# KiCad board Keebs v2.kicad_pcb (continued)
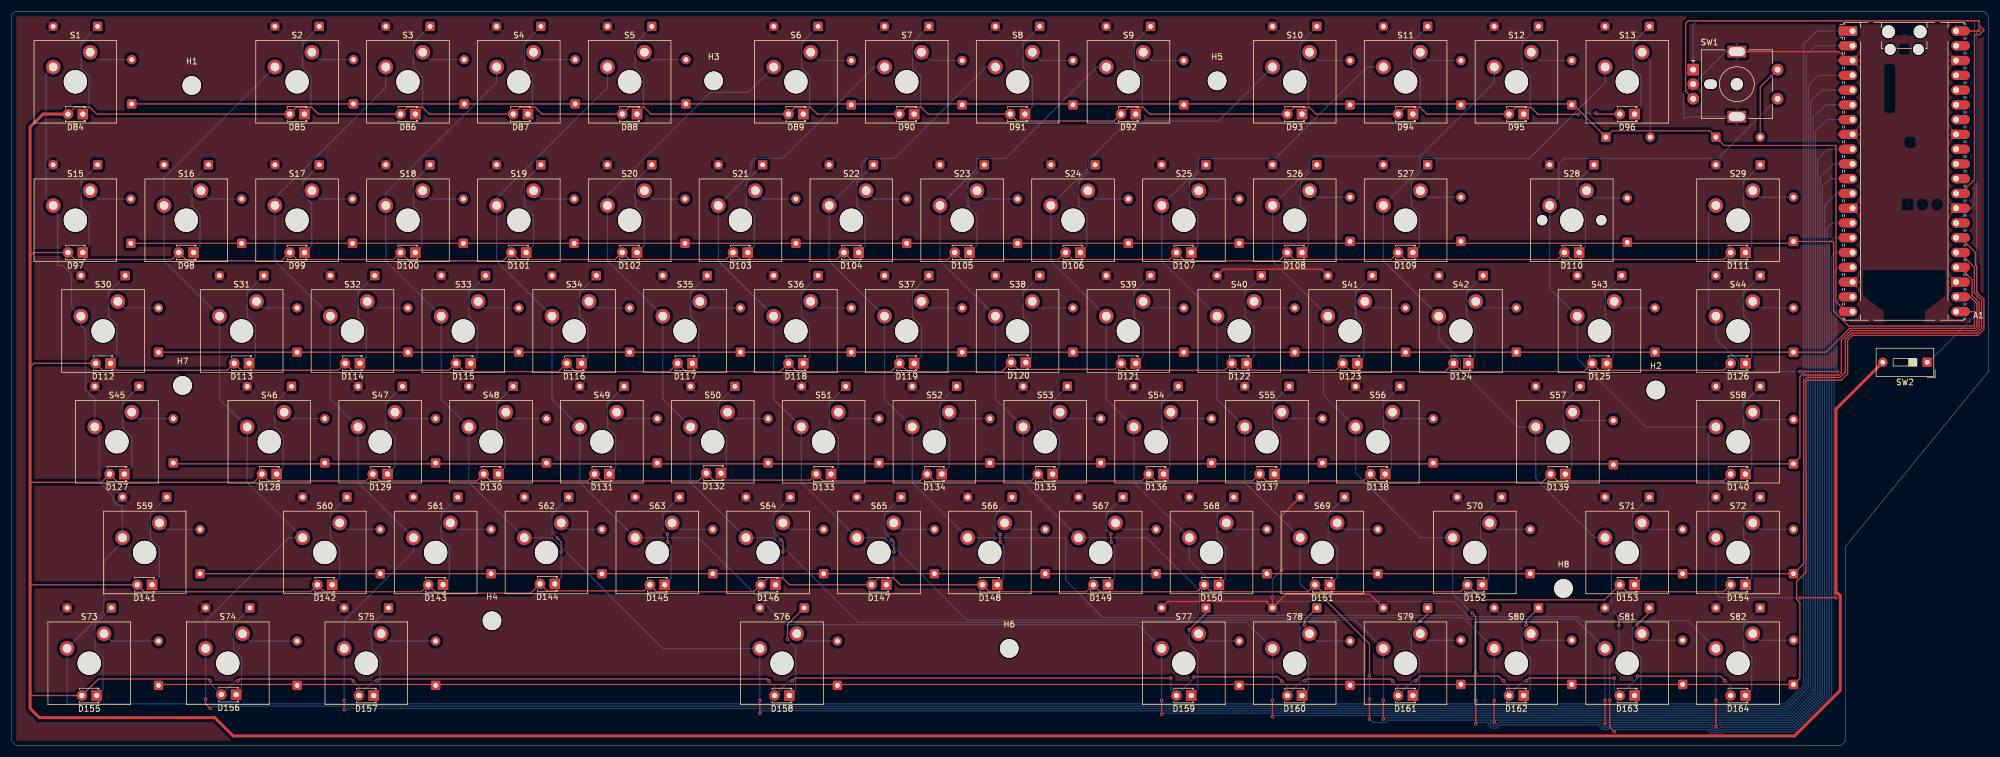
[diagram p0: board, top side]
## Routing (per net, layer and track width the routed paths; a pad name or vN(x,y) marks a point on that pad's centre or on a via; arc(x,y) is an arc through that point) (continued)
Net-(D64-A): length 7.4
  Bottom w0.2: S64.2 133.66,37.14 D64.2
Net-(D65-A): length 7.4
  Bottom w0.2: D65.2 152.71,37.14 S65.2
Net-(D66-A): length 7.4
  Bottom w0.2: S66.2 171.76,37.14 D66.2
Net-(D67-A): length 7.4
  Bottom w0.2: D67.2 190.81,37.14 S67.2
Net-(D68-A): length 7.4
  Bottom w0.2: D68.2 209.85,37.14 S68.2
Net-(D69-A): length 7.4
  Bottom w0.2: S69.2 228.9,37.14 D69.2
Net-(D70-A): length 7.4
  Bottom w0.2: D70.2 255.1,37.14 S70.2
Net-(D71-A): length 7.4
  Bottom w0.2: D71.2 281.29,37.14 S71.2
Net-(D72-A): length 7.4
  Bottom w0.2: S72.2 300.34,37.14 D72.2
Net-(D73-A): length 9.9
  Bottom w0.2: D73.2 17.14,17.94 S73.2
Net-(D74-A): length 9.9
  Bottom w0.2: D74.2 40.96,17.94 S74.2
Net-(D75-A): length 9.9
  Bottom w0.2: D75.2 64.77,17.94 S75.2
Net-(D76-A): length 7.5
  Bottom w0.2: S76.2 136.2,17.94 D76.2
Net-(D77-A): length 7.5
  Bottom w0.2: D77.2 205.25,17.94 S77.2
Net-(D78-A): length 7.5
  Bottom w0.2: D78.2 224.3,17.94 S78.2
Net-(D79-A): length 7.4
  Bottom w0.2: S79.2 243.19,18.1 D79.2
Net-(D80-A): length 7.4
  Bottom w0.2: D80.2 262.24,18.1 S80.2
Net-(D81-A): length 7.4
  Bottom w0.2: S81.2 281.29,18.1 D81.2
Net-(D82-A): length 7.4
  Bottom w0.2: S82.2 300.34,18.1 D82.2
Net-(D84-K): length 17.3
  Bottom w0.2: R1.1 11.94,120.84 11.94,116.47 13.31,115.11 13.31,109.66 D84.1
Net-(D85-K): length 17.3
  Bottom w0.2: R2.1 50.03,120.83 50.03,116.48 51.41,115.11 51.41,109.66 D85.1
Net-(D86-K): length 17.4
  Bottom w0.2: R3.1 69.09,120.84 69.09,116.47 70.64,114.92 70.64,109.85 D86.1
Net-(D87-K): length 17.1
  Bottom w0.2: R4.1 88.14,120.84 88.14,116.47 89.51,115.11 89.51,109.35 D87.1
Net-(D88-K): length 17.3
  Bottom w0.2: R5.1 107.19,120.85 107.19,116.47 108.56,115.11 108.56,109.67 D88.1
Net-(D89-K): length 17.3
  Bottom w0.2: D89.1 137.13,109.67 137.13,115.11 135.75,116.48 135.75,120.83 R6.1
Net-(D90-K): length 17.3
  Bottom w0.2: R7.1 154.82,120.85 154.82,116.47 156.18,115.11 156.18,109.67 D90.1
Net-(D91-K): length 17.4
  Bottom w0.2: D91.1 175.41,109.85 175.41,114.93 173.85,116.48 173.85,120.83 R8.1
Net-(D92-K): length 17.3
  Bottom w0.2: D92.1 194.28,109.67 194.28,115.11 192.92,116.47 192.92,120.85 R9.1
Net-(D93-K): length 17.3
  Bottom w0.2: D93.1 222.86,109.67 222.86,115.26 221.49,116.62 221.49,120.84 R10.1
Net-(D94-K): length 17.4
  Bottom w0.2: R11.1 240.54,120.85 240.54,116.47 242.08,114.93 242.08,109.85 D94.1
Net-(D95-K): length 17.3
  Bottom w0.2: R12.1 259.58,120.84 259.58,116.48 260.96,115.11 260.96,109.68 D95.1
Net-(D96-K): length 17.3
  Bottom w0.2: D96.1 280.01,109.68 280.01,115.11 278.64,116.47 278.64,120.86 R13.1
Net-(D97-K): length 17.3
  Bottom w0.2: D97.1 13.31,85.85 13.31,91.29 11.94,92.65 11.94,97.03 R14.1
Net-(D98-K): length 17.3
  Bottom w0.2: D98.1 32.36,85.85 32.36,91.29 30.99,92.65 30.99,97.03 R15.1
Net-(D99-K): length 17.4
  Bottom w0.2: R16.1 50.04,97.03 50.04,94.76 51.59,93.21 51.59,86.04 D99.1
Net-(D100-K): length 17.3
  Bottom w0.2: R17.1 69.09,97.03 69.09,92.65 70.46,91.29 70.46,85.85 D100.1
Net-(D101-K): length 17.4
  Bottom w0.2: D101.1 89.69,86.04 89.69,91.11 88.14,92.65 88.14,97.03 R18.1
Net-(D102-K): length 17.4
  Bottom w0.2: R19.1 107.19,97.03 107.19,92.65 108.74,91.11 108.74,86.04 D102.1
Net-(D103-K): length 17.3
  Bottom w0.2: R20.1 126.24,97.04 126.24,92.65 127.61,91.29 127.61,85.86 D103.1
Net-(D104-K): length 17.3
  Bottom w0.2: D104.1 146.66,85.86 146.66,91.29 145.28,92.67 145.28,97.02 R21.1
Net-(D105-K): length 17.4
  Bottom w0.2: R22.1 164.34,97.04 164.34,92.65 165.88,91.12 165.88,86.04 D105.1
Net-(D106-K): length 17.3
  Bottom w0.2: D106.1 184.76,85.86 184.76,91.29 183.39,92.65 183.39,97.04 R23.1
Net-(D107-K): length 17.3
  Bottom w0.2: R24.1 202.44,97.04 202.44,92.65 203.81,91.29 203.81,85.86 D107.1
Net-(D108-K): length 17.3
  Bottom w0.2: D108.1 222.86,85.86 222.86,91.29 221.49,92.65 221.49,97.04 R25.1
Net-(D109-K): length 17.3
  Bottom w0.2: R26.1 240.54,97.04 240.54,92.65 241.91,91.29 241.91,85.86 D109.1
Net-(D110-K): length 17.3
  Bottom w0.2: D110.1 270.46,85.85 270.46,91.3 269.09,92.67 269.09,97.01 R27.1
Net-(D111-K): length 17.3
  Bottom w0.2: D111.1 299.04,85.85 299.04,91.3 297.67,92.66 297.67,97.03 R28.1
Net-(D112-K): length 17.3
  Bottom w0.2: R29.1 16.7,77.98 16.7,73.61 18.07,72.25 18.07,66.8 D112.1
Net-(D113-K): length 17.3
  Bottom w0.2: D113.1 41.88,66.8 41.88,72.25 40.5,73.63 40.5,77.96 R30.1
Net-(D114-K): length 17.3
  Bottom w0.2: R31.1 59.56,77.98 59.56,73.61 60.93,72.25 60.93,66.8 D114.1
Net-(D115-K): length 17.3
  Bottom w0.2: D115.1 79.98,66.8 79.98,72.25 78.61,73.61 78.61,77.98 R32.1
Net-(D116-K): length 17.3
  Bottom w0.2: D116.1 99.02,66.8 99.02,72.25 97.65,73.63 97.65,77.96 R33.1
Net-(D117-K): length 17.3
  Bottom w0.2: R34.1 116.71,77.98 116.71,73.61 118.07,72.25 118.07,66.8 D117.1
Net-(D118-K): length 17.3
  Bottom w0.2: D118.1 137.12,66.8 137.12,72.25 135.74,73.63 135.74,77.96 R35.1
Net-(D119-K): length 17.4
  Bottom w0.2: R36.1 154.81,77.98 154.81,73.61 156.36,72.06 156.36,66.99 D119.1
Net-(D120-K): length 17
  Bottom w0.2: D120.1 175.22,66.8 175.22,72.25 173.86,73.61 173.86,77.98 R37.1
Net-(D121-K): length 17.4
  Bottom w0.2: D121.1 194.46,66.99 194.46,72.06 192.91,73.61 192.91,77.98 R38.1
Net-(D122-K): length 17.4
  Bottom w0.2: D122.1 213.51,66.99 213.51,72.06 211.95,73.61 211.95,77.98 R39.1
Net-(D123-K): length 17.3
  Bottom w0.2: D123.1 232.37,66.8 232.37,72.25 231,73.61 231,77.98 R40.1
Net-(D124-K): length 17.3
  Bottom w0.2: D124.1 251.41,66.8 251.41,72.25 250.05,73.61 250.05,77.98 R41.1
Net-(D125-K): length 17.3
  Bottom w0.2: R42.1 273.86,77.98 273.86,73.61 275.23,72.25 275.23,66.8 D125.1
Net-(D126-K): length 17.3
  Bottom w0.2: D126.1 299.04,66.8 299.04,72.42 297.66,73.79 297.66,77.96 R43.1
Net-(D127-K): length 17.4
  Bottom w0.2: D127.1 20.64,47.94 20.64,53.01 19.09,54.56 19.09,58.93 R44.1
Net-(D128-K): length 17.3
  Bottom w0.2: R45.1 45.26,58.91 45.26,54.74 46.64,53.37 46.64,47.75 D128.1
Net-(D129-K): length 17.4
  Bottom w0.2: R46.1 64.33,58.93 64.33,54.56 65.88,53.01 65.88,47.94 D129.1
Net-(D130-K): length 17.3
  Bottom w0.2: D130.1 84.74,47.75 84.74,53.2 83.36,54.58 83.36,58.91 R47.1
Net-(D131-K): length 17.3
  Bottom w0.2: D131.1 103.79,47.75 103.79,53.2 102.42,54.56 102.42,58.93 R48.1
Net-(D132-K): length 17
  Bottom w0.2: D132.1 122.83,47.75 122.83,53.2 121.47,54.56 121.47,58.93 R49.1
Net-(D133-K): length 17.4
  Bottom w0.2: R50.1 140.52,58.93 140.52,54.56 142.07,53.01 142.07,47.94 D133.1
Net-(D134-K): length 17.4
  Bottom w0.2: D134.1 161.12,47.94 161.12,53.01 159.57,54.56 159.57,58.93 R51.1
Net-(D135-K): length 17.3
  Bottom w0.2: R52.1 178.62,58.93 178.62,54.56 179.98,53.2 179.98,47.75 D135.1
Net-(D136-K): length 17.3
  Bottom w0.2: D136.1 199.03,47.75 199.03,53.2 197.65,54.58 197.65,58.91 R53.1
Net-(D137-K): length 17.3
  Bottom w0.2: D137.1 218.08,47.75 218.08,53.2 216.72,54.56 216.72,58.93 R54.1
Net-(D138-K): length 17.3
  Bottom w0.2: R55.1 235.77,58.93 235.77,54.56 237.13,53.2 237.13,47.75 D138.1
Net-(D139-K): length 17.3
  Bottom w0.2: R56.1 266.7,58.91 266.7,54.58 268.08,53.2 268.08,47.75 D139.1
Net-(D140-K): length 17.3
  Bottom w0.2: D140.1 299.04,47.75 299.04,53.2 297.67,54.56 297.67,58.93 R57.1
Net-(D141-K): length 17.4
  Bottom w0.2: D141.1 25.4,28.89 25.4,33.96 23.85,35.51 23.85,39.88 R58.1
Net-(D142-K): length 17.4
  Bottom w0.2: D142.1 56.35,28.89 56.35,33.96 54.8,35.51 54.8,39.88 R59.1
Net-(D143-K): length 17.3
  Bottom w0.2: D143.1 75.21,28.7 75.21,34.15 73.84,35.53 73.84,39.86 R60.1
Net-(D144-K): length 17.2
  Top w0.2: v1(94.46,33.27) 94.46,34.97 v1(93.8,35.63)
  Bottom w0.2: D144.1 94.46,28.9 v1(94.46,33.27) ; R61.1 92.86,39.84 92.86,36.57 v1(93.8,35.63)
Net-(D145-K): length 17.3
  Top w0.2: v1(112.71,36.32) 112.71,35.04 v1(112.76,34.98)
  Bottom w0.2: v1(112.71,36.32) 111.95,37.07 111.95,39.88 R62.1 ; D145.1 113.31,28.7 113.31,34.43 v1(112.76,34.98)
Net-(D146-K): length 17.4
  Top w0.2: v1(132.18,35.35) 132.56,34.97 v1(132.56,33.27)
  Bottom w0.2: R63.1 131,39.88 131,36.53 v1(132.18,35.35) ; D146.1 132.56,28.9 v1(132.56,33.27)
Net-(D147-K): length 17.4
  Top w0.2: v1(151.61,33.27) 151.61,34.97 v1(151.23,35.35)
  Bottom w0.2: R64.1 150.05,39.88 150.05,36.53 v1(151.23,35.35) ; v1(151.61,33.27) 151.61,28.9 D147.1
Net-(D148-K): length 17.3
  Top w0.2: v1(169.85,36.32) 169.85,35.04 v1(169.91,34.98)
  Bottom w0.2: v1(169.85,36.32) 169.09,37.07 169.09,39.88 R65.1 ; v1(169.91,34.98) 170.46,34.43 170.46,28.7 D148.1
Net-(D149-K): length 17.3
  Top w0.2: v1(188.96,34.98) 188.9,35.04 v1(188.9,36.32)
  Bottom w0.2: v1(188.9,36.32) 188.14,37.07 188.14,39.88 R66.1 ; v1(188.96,34.98) 189.51,34.43 189.51,28.7 D149.1
Net-(D150-K): length 17.3
  Bottom w0.2: R67.1 207.19,39.88 207.19,35.51 208.55,34.15 208.55,28.7 D150.1
Net-(D151-K): length 17.4
  Bottom w0.2: D151.1 227.79,28.89 227.79,33.96 226.24,35.51 226.24,39.88 R68.1
Net-(D152-K): length 17.6
  Bottom w0.2: D152.1 253.8,28.7 253.8,34.15 252.43,35.51 252.43,39.09 R69.1
Net-(D153-K): length 17.3
  Bottom w0.2: D153.1 279.99,28.7 279.99,34.15 278.61,35.53 278.61,39.86 R70.1
Net-(D154-K): length 17.3
  Bottom w0.2: D154.1 299.04,28.7 299.04,34.15 297.67,35.51 297.67,39.88 R71.1
Net-(D155-K): length 17.3
  Bottom w0.2: R72.1 14.32,20.83 14.32,16.46 15.69,15.1 15.69,9.65 D155.1
Net-(D156-K): length 17
  Bottom w0.2: R73.1 38.13,20.83 38.13,16.46 39.5,15.1 39.5,9.65 D156.1
Net-(D157-K): length 17.3
  Bottom w0.2: R74.1 61.93,20.82 61.93,16.48 63.31,15.1 63.31,9.65 D157.1
Net-(D158-K): length 17.3
  Top w0.2: v1(133.34,18.26) 133.34,20.79 R75.1
  Bottom w0.2: v1(133.34,18.26) 134.74,16.86 134.74,9.65 D158.1
Net-(D159-K): length 17.3
  Top w0.2: R76.1 205.25,22.75 v1(202.36,19.86)
  Bottom w0.2: v1(202.36,19.86) 202.36,17.5 203.79,16.06 203.79,9.65 D159.1
Net-(D160-K): length 17.3
  Top w0.2: R77.1 222.18,21.53 v1(222.18,20.74)
  Bottom w0.2: v1(222.18,20.74) 221.44,20 221.44,16.5 222.84,15.1 222.84,9.65 D160.1
Net-(D161-K): length 17.3
  Top w0.2: v1(242.08,21.36) 243.35,22.63 R78.1
  Bottom w0.2: D161.1 241.89,9.65 241.89,15.1 240.51,16.48 240.51,19.86 242.01,21.36 v1(242.08,21.36)
Net-(D162-K): length 17.3
  Top w0.2: v1(260.28,20.74) 260.28,21.53 R79.1
  Bottom w0.2: v1(260.28,20.74) 259.58,20.04 259.58,16.46 260.94,15.1 260.94,9.65 D162.1
Net-(D163-K): length 17.3
  Top w0.2: R80.1 281.45,22.86 v1(279.33,20.74)
  Bottom w0.2: D163.1 279.99,9.65 279.99,15.1 278.59,16.5 278.59,20 v1(279.33,20.74)
Net-(D164-K): length 17.3
  Bottom w0.2: R81.1 297.67,20.83 297.67,16.46 299.04,15.1 299.04,9.65 D164.1

## Copper pours and planes (outline as drawn; the poured copper is in the pictures)
GND on Top, Bottom: 0.79,125.4 338.91,125.4 338.91,64.29 314.31,34.92 314.31,0.79 0.79,0.79

## Text on the board
B.Fab: K
B.Silkscreen: K
F.Fab: ${REFERENCE}
